# KiCad board demomatrix.kicad_pcb (continued)
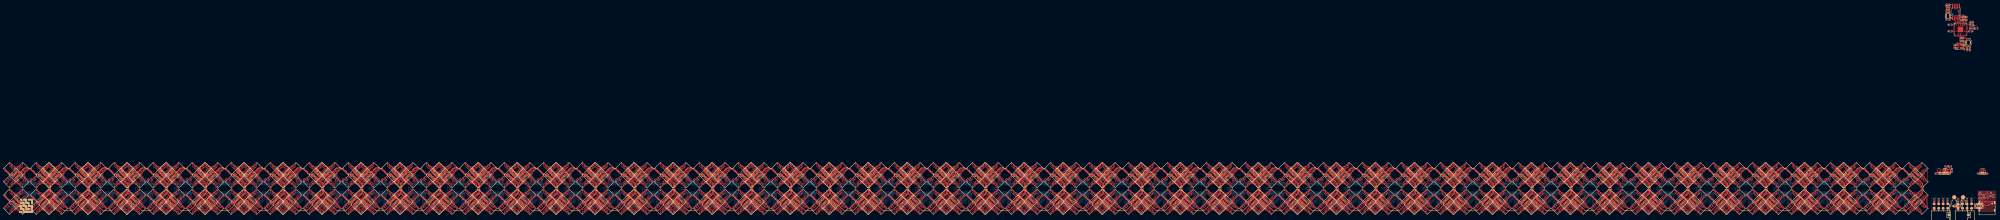
[diagram p0: board, top side]
## Routing (per net, layer and track width the routed paths; a pad name or vN(x,y) marks a point on that pad's centre or on a via; arc(x,y) is an arc through that point) (continued)
rgbs[3]-anodes-anode-289: length 12.8
  Top w0.2: LED419.1 -680.28,14.06 -680.28,14.1 -680.15,14.23 -680.22,14.31 -680.22,15.7 -682.37,17.85 -682.95,17.85 -683.64,17.17 -683.74,17.17 -684.43,17.85 -685.01,17.85 -685.8,17.06 -685.8,17.05 -685.86,16.99 -685.86,16.99 -687.16,15.7 -687.16,14.12 LED420.2
rgbs[3]-anodes-anode-290: length 3.9
  Top w0.2: LED419.5 -682.12,15.61 -683.11,15.61 -683.46,15.97 -683.92,15.97 -684.26,15.62 -685.46,15.62 LED420.6
rgbs[3]-anodes-anode-291: length 1.8
  Top w0.2: LED420.8 -684.32,16.37 -683.11,16.37 -682.94,16.53 -682.9,16.53 LED419.7
rgbs[3]-anodes-anode-292: length 9.5
  Top w0.2: LED423.3 -666.13,14.9 -666.13,14.93 -665.98,15.08 -665.98,15.89 -667.54,17.45 -667.79,17.45 -668.47,16.77 -668.91,16.77 -669.59,17.45 -669.84,17.45 -670.4,16.89 -670.4,16.88 -670.69,16.59 -670.7,16.59 -671.43,15.87 -671.43,15.08 LED424.4
rgbs[3]-anodes-anode-293: length 12.8
  Top w0.2: LED423.1 -665.28,14.06 -665.28,14.1 -665.15,14.23 -665.22,14.31 -665.22,15.7 -667.37,17.85 -667.95,17.85 -668.64,17.17 -668.74,17.17 -669.43,17.85 -670.01,17.85 -670.8,17.06 -670.8,17.05 -670.86,16.99 -670.86,16.99 -672.16,15.7 -672.16,14.12 LED424.2
rgbs[3]-anodes-anode-294: length 3.9
  Top w0.2: LED423.5 -667.12,15.61 -668.11,15.61 -668.46,15.97 -668.92,15.97 -669.26,15.62 -670.46,15.62 LED424.6
rgbs[3]-anodes-anode-295: length 1.8
  Top w0.2: LED423.7 -667.9,16.53 -667.94,16.53 -668.11,16.37 -669.32,16.37 LED424.8
rgbs[3]-anodes-anode-296: length 9.5
  Top w0.2: LED427.3 -681.13,-0.1 -681.13,-0.07 -680.98,0.08 -680.98,0.89 -682.54,2.45 -682.79,2.45 -683.47,1.77 -683.91,1.77 -684.59,2.45 -684.84,2.45 -685.4,1.89 -685.4,1.88 -685.69,1.59 -685.7,1.59 -686.43,0.87 -686.43,0.08 LED428.4
rgbs[3]-anodes-anode-297: length 12.8
  Top w0.2: LED427.1 -680.28,-0.94 -680.28,-0.9 -680.15,-0.77 -680.22,-0.69 -680.22,0.7 -682.37,2.85 -682.95,2.85 -683.64,2.17 -683.74,2.17 -684.43,2.85 -685.01,2.85 -685.8,2.06 -685.8,2.05 -685.86,1.99 -685.86,1.99 -687.16,0.7 -687.16,-0.88 LED428.2
rgbs[3]-anodes-anode-298: length 3.9
  Top w0.2: LED427.5 -682.12,0.61 -683.11,0.61 -683.46,0.97 -683.92,0.97 -684.26,0.62 -685.46,0.62 LED428.6
rgbs[3]-anodes-anode-299: length 1.8
  Top w0.2: LED428.8 -684.32,1.37 -683.11,1.37 -682.94,1.53 -682.9,1.53 LED427.7
rgbs[3]-anodes-anode-300: length 9.5
  Top w0.2: LED431.3 -666.13,-0.1 -666.13,-0.07 -665.98,0.08 -665.98,0.89 -667.54,2.45 -667.79,2.45 -668.47,1.77 -668.91,1.77 -669.59,2.45 -669.84,2.45 -670.4,1.89 -670.4,1.88 -670.69,1.59 -670.7,1.59 -671.43,0.87 -671.43,0.08 LED432.4
rgbs[3]-anodes-anode-301: length 12.8
  Top w0.2: LED432.2 -672.16,-0.88 -672.16,0.7 -670.86,1.99 -670.86,1.99 -670.8,2.05 -670.8,2.06 -670.01,2.85 -669.43,2.85 -668.74,2.17 -668.64,2.17 -667.95,2.85 -667.37,2.85 -665.22,0.7 -665.22,-0.69 -665.15,-0.77 -665.28,-0.9 -665.28,-0.94 LED431.1
rgbs[3]-anodes-anode-302: length 3.9
  Top w0.2: LED431.5 -667.12,0.61 -668.11,0.61 -668.46,0.97 -668.92,0.97 -669.26,0.62 -670.46,0.62 LED432.6
rgbs[3]-anodes-anode-303: length 1.8
  Top w0.2: LED432.8 -669.32,1.37 -668.11,1.37 -667.94,1.53 -667.9,1.53 LED431.7
rgbs[3]-anodes-anode-304: length 9.5
  Top w0.2: LED435.3 -659.13,14.9 -659.13,14.93 -658.98,15.08 -658.98,15.89 -660.54,17.45 -660.79,17.45 -661.47,16.77 -661.91,16.77 -662.59,17.45 -662.84,17.45 -663.4,16.89 -663.4,16.88 -663.69,16.59 -663.7,16.59 -664.43,15.87 -664.43,15.08 LED436.4
rgbs[3]-anodes-anode-305: length 12.8
  Top w0.2: LED436.2 -665.16,14.12 -665.16,15.7 -663.86,16.99 -663.86,16.99 -663.8,17.05 -663.8,17.06 -663.01,17.85 -662.43,17.85 -661.74,17.17 -661.64,17.17 -660.95,17.85 -660.37,17.85 -658.22,15.7 -658.22,14.31 -658.15,14.23 -658.28,14.1 -658.28,14.06 LED435.1
rgbs[3]-anodes-anode-306: length 3.9
  Top w0.2: LED436.6 -663.46,15.62 -662.26,15.62 -661.92,15.97 -661.46,15.97 -661.11,15.61 -660.12,15.61 LED435.5
rgbs[3]-anodes-anode-307: length 1.8
  Top w0.2: LED435.7 -660.9,16.53 -660.94,16.53 -661.11,16.37 -662.32,16.37 LED436.8
rgbs[3]-anodes-anode-308: length 9.5
  Top w0.2: LED440.4 -649.43,15.08 -649.43,15.87 -648.7,16.59 -648.69,16.59 -648.4,16.88 -648.4,16.89 -647.84,17.45 -647.59,17.45 -646.91,16.77 -646.47,16.77 -645.79,17.45 -645.54,17.45 -643.98,15.89 -643.98,15.08 -644.13,14.93 -644.13,14.9 LED439.3
rgbs[3]-anodes-anode-309: length 12.8
  Top w0.2: LED439.1 -643.28,14.06 -643.28,14.1 -643.15,14.23 -643.22,14.31 -643.22,15.7 -645.37,17.85 -645.95,17.85 -646.64,17.17 -646.74,17.17 -647.43,17.85 -648.01,17.85 -648.8,17.06 -648.8,17.05 -648.86,16.99 -648.86,16.99 -650.16,15.7 -650.16,14.12 LED440.2
rgbs[3]-anodes-anode-310: length 3.9
  Top w0.2: LED440.6 -648.46,15.62 -647.26,15.62 -646.92,15.97 -646.46,15.97 -646.11,15.61 -645.12,15.61 LED439.5
rgbs[3]-anodes-anode-311: length 1.8
  Top w0.2: LED440.8 -647.32,16.37 -646.11,16.37 -645.94,16.53 -645.9,16.53 LED439.7
rgbs[3]-anodes-anode-312: length 9.5
  Top w0.2: LED444.4 -664.43,0.08 -664.43,0.87 -663.7,1.59 -663.69,1.59 -663.4,1.88 -663.4,1.89 -662.84,2.45 -662.59,2.45 -661.91,1.77 -661.47,1.77 -660.79,2.45 -660.54,2.45 -658.98,0.89 -658.98,0.08 -659.13,-0.07 -659.13,-0.1 LED443.3
rgbs[3]-anodes-anode-313: length 12.8
  Top w0.2: LED444.2 -665.16,-0.88 -665.16,0.7 -663.86,1.99 -663.86,1.99 -663.8,2.05 -663.8,2.06 -663.01,2.85 -662.43,2.85 -661.74,2.17 -661.64,2.17 -660.95,2.85 -660.37,2.85 -658.22,0.7 -658.22,-0.69 -658.15,-0.77 -658.28,-0.9 -658.28,-0.94 LED443.1
rgbs[3]-anodes-anode-314: length 3.9
  Top w0.2: LED443.5 -660.12,0.61 -661.11,0.61 -661.46,0.97 -661.92,0.97 -662.26,0.62 -663.46,0.62 LED444.6
rgbs[3]-anodes-anode-315: length 1.8
  Top w0.2: LED444.8 -662.32,1.37 -661.11,1.37 -660.94,1.53 -660.9,1.53 LED443.7
rgbs[3]-anodes-anode-316: length 9.5
  Top w0.2: LED448.4 -649.43,0.08 -649.43,0.87 -648.7,1.59 -648.69,1.59 -648.4,1.88 -648.4,1.89 -647.84,2.45 -647.59,2.45 -646.91,1.77 -646.47,1.77 -645.79,2.45 -645.54,2.45 -643.98,0.89 -643.98,0.08 -644.13,-0.07 -644.13,-0.1 LED447.3
rgbs[3]-anodes-anode-317: length 12.8
  Top w0.2: LED447.1 -643.28,-0.94 -643.28,-0.9 -643.15,-0.77 -643.22,-0.69 -643.22,0.7 -645.37,2.85 -645.95,2.85 -646.64,2.17 -646.74,2.17 -647.43,2.85 -648.01,2.85 -648.8,2.06 -648.8,2.05 -648.86,1.99 -648.86,1.99 -650.16,0.7 -650.16,-0.88 LED448.2
rgbs[3]-anodes-anode-318: length 3.9
  Top w0.2: LED447.5 -645.12,0.61 -646.11,0.61 -646.46,0.97 -646.92,0.97 -647.26,0.62 -648.46,0.62 LED448.6
rgbs[3]-anodes-anode-319: length 1.8
  Top w0.2: LED447.7 -645.9,1.53 -645.94,1.53 -646.11,1.37 -647.32,1.37 LED448.8
rgbs[3]-anodes-anode-320: length 9.5
  Top w0.2: LED452.4 -642.43,15.08 -642.43,15.87 -641.7,16.59 -641.69,16.59 -641.4,16.88 -641.4,16.89 -640.84,17.45 -640.59,17.45 -639.91,16.77 -639.47,16.77 -638.79,17.45 -638.54,17.45 -636.98,15.89 -636.98,15.08 -637.13,14.93 -637.13,14.9 LED451.3
rgbs[3]-anodes-anode-321: length 12.8
  Top w0.2: LED451.1 -636.28,14.06 -636.28,14.1 -636.15,14.23 -636.22,14.31 -636.22,15.7 -638.37,17.85 -638.95,17.85 -639.64,17.17 -639.74,17.17 -640.43,17.85 -641.01,17.85 -641.8,17.06 -641.8,17.05 -641.86,16.99 -641.86,16.99 -643.16,15.7 -643.16,14.12 LED452.2
rgbs[3]-anodes-anode-322: length 3.9
  Top w0.2: LED452.6 -641.46,15.62 -640.26,15.62 -639.92,15.97 -639.46,15.97 -639.11,15.61 -638.12,15.61 LED451.5
rgbs[3]-anodes-anode-323: length 1.8
  Top w0.2: LED452.8 -640.32,16.37 -639.11,16.37 -638.94,16.53 -638.9,16.53 LED451.7
rgbs[3]-anodes-anode-324: length 9.5
  Top w0.2: LED455.3 -622.13,14.9 -622.13,14.93 -621.98,15.08 -621.98,15.89 -623.54,17.45 -623.79,17.45 -624.47,16.77 -624.91,16.77 -625.59,17.45 -625.84,17.45 -626.4,16.89 -626.4,16.88 -626.69,16.59 -626.7,16.59 -627.43,15.87 -627.43,15.08 LED456.4
rgbs[3]-anodes-anode-325: length 12.8
  Top w0.2: LED455.1 -621.28,14.06 -621.28,14.1 -621.15,14.23 -621.22,14.31 -621.22,15.7 -623.37,17.85 -623.95,17.85 -624.64,17.17 -624.74,17.17 -625.43,17.85 -626.01,17.85 -626.8,17.06 -626.8,17.05 -626.86,16.99 -626.86,16.99 -628.16,15.7 -628.16,14.12 LED456.2
rgbs[3]-anodes-anode-326: length 3.9
  Top w0.2: LED456.6 -626.46,15.62 -625.26,15.62 -624.92,15.97 -624.46,15.97 -624.11,15.61 -623.12,15.61 LED455.5
rgbs[3]-anodes-anode-327: length 1.8
  Top w0.2: LED456.8 -625.32,16.37 -624.11,16.37 -623.94,16.53 -623.9,16.53 LED455.7
rgbs[3]-anodes-anode-328: length 9.5
  Top w0.2: LED460.4 -642.43,0.08 -642.43,0.87 -641.7,1.59 -641.69,1.59 -641.4,1.88 -641.4,1.89 -640.84,2.45 -640.59,2.45 -639.91,1.77 -639.47,1.77 -638.79,2.45 -638.54,2.45 -636.98,0.89 -636.98,0.08 -637.13,-0.07 -637.13,-0.1 LED459.3
rgbs[3]-anodes-anode-329: length 12.8
  Top w0.2: LED460.2 -643.16,-0.88 -643.16,0.7 -641.86,1.99 -641.86,1.99 -641.8,2.05 -641.8,2.06 -641.01,2.85 -640.43,2.85 -639.74,2.17 -639.64,2.17 -638.95,2.85 -638.37,2.85 -636.22,0.7 -636.22,-0.69 -636.15,-0.77 -636.28,-0.9 -636.28,-0.94 LED459.1
rgbs[3]-anodes-anode-330: length 3.9
  Top w0.2: LED460.6 -641.46,0.62 -640.26,0.62 -639.92,0.97 -639.46,0.97 -639.11,0.61 -638.12,0.61 LED459.5
rgbs[3]-anodes-anode-331: length 1.8
  Top w0.2: LED460.8 -640.32,1.37 -639.11,1.37 -638.94,1.53 -638.9,1.53 LED459.7
rgbs[3]-anodes-anode-332: length 9.5
  Top w0.2: LED463.3 -622.13,-0.1 -622.13,-0.07 -621.98,0.08 -621.98,0.89 -623.54,2.45 -623.79,2.45 -624.47,1.77 -624.91,1.77 -625.59,2.45 -625.84,2.45 -626.4,1.89 -626.4,1.88 -626.69,1.59 -626.7,1.59 -627.43,0.87 -627.43,0.08 LED464.4
rgbs[3]-anodes-anode-333: length 12.8
  Top w0.2: LED463.1 -621.28,-0.94 -621.28,-0.9 -621.15,-0.77 -621.22,-0.69 -621.22,0.7 -623.37,2.85 -623.95,2.85 -624.64,2.17 -624.74,2.17 -625.43,2.85 -626.01,2.85 -626.8,2.06 -626.8,2.05 -626.86,1.99 -626.86,1.99 -628.16,0.7 -628.16,-0.88 LED464.2
rgbs[3]-anodes-anode-334: length 3.9
  Top w0.2: LED463.5 -623.12,0.61 -624.11,0.61 -624.46,0.97 -624.92,0.97 -625.26,0.62 -626.46,0.62 LED464.6
rgbs[3]-anodes-anode-335: length 1.8
  Top w0.2: LED464.8 -625.32,1.37 -624.11,1.37 -623.94,1.53 -623.9,1.53 LED463.7
rgbs[3]-anodes-anode-336: length 9.5
  Top w0.2: LED468.4 -620.43,15.08 -620.43,15.87 -619.7,16.59 -619.69,16.59 -619.4,16.88 -619.4,16.89 -618.84,17.45 -618.59,17.45 -617.91,16.77 -617.47,16.77 -616.79,17.45 -616.54,17.45 -614.98,15.89 -614.98,15.08 -615.13,14.93 -615.13,14.9 LED467.3
rgbs[3]-anodes-anode-337: length 12.8
  Top w0.2: LED467.1 -614.28,14.06 -614.28,14.1 -614.15,14.23 -614.22,14.31 -614.22,15.7 -616.37,17.85 -616.95,17.85 -617.64,17.17 -617.74,17.17 -618.43,17.85 -619.01,17.85 -619.8,17.06 -619.8,17.05 -619.86,16.99 -619.86,16.99 -621.16,15.7 -621.16,14.12 LED468.2
rgbs[3]-anodes-anode-338: length 3.9
  Top w0.2: LED468.6 -619.46,15.62 -618.26,15.62 -617.92,15.97 -617.46,15.97 -617.11,15.61 -616.12,15.61 LED467.5
rgbs[3]-anodes-anode-339: length 1.8
  Top w0.2: LED468.8 -618.32,16.37 -617.11,16.37 -616.94,16.53 -616.9,16.53 LED467.7
rgbs[3]-anodes-anode-340: length 9.5
  Top w0.2: LED471.3 -600.13,14.9 -600.13,14.93 -599.98,15.08 -599.98,15.89 -601.54,17.45 -601.79,17.45 -602.47,16.77 -602.91,16.77 -603.59,17.45 -603.84,17.45 -604.4,16.89 -604.4,16.88 -604.69,16.59 -604.7,16.59 -605.43,15.87 -605.43,15.08 LED472.4
rgbs[3]-anodes-anode-341: length 12.8
  Top w0.2: LED471.1 -599.28,14.06 -599.28,14.1 -599.15,14.23 -599.22,14.31 -599.22,15.7 -601.37,17.85 -601.95,17.85 -602.64,17.17 -602.74,17.17 -603.43,17.85 -604.01,17.85 -604.8,17.06 -604.8,17.05 -604.86,16.99 -604.86,16.99 -606.16,15.7 -606.16,14.12 LED472.2
rgbs[3]-anodes-anode-342: length 3.9
  Top w0.2: LED472.6 -604.46,15.62 -603.26,15.62 -602.92,15.97 -602.46,15.97 -602.11,15.61 -601.12,15.61 LED471.5
rgbs[3]-anodes-anode-343: length 1.8
  Top w0.2: LED471.7 -601.9,16.53 -601.94,16.53 -602.11,16.37 -603.32,16.37 LED472.8
rgbs[3]-anodes-anode-344: length 9.5
  Top w0.2: LED476.4 -620.43,0.08 -620.43,0.87 -619.7,1.59 -619.69,1.59 -619.4,1.88 -619.4,1.89 -618.84,2.45 -618.59,2.45 -617.91,1.77 -617.47,1.77 -616.79,2.45 -616.54,2.45 -614.98,0.89 -614.98,0.08 -615.13,-0.07 -615.13,-0.1 LED475.3
rgbs[3]-anodes-anode-345: length 12.8
  Top w0.2: LED476.2 -621.16,-0.88 -621.16,0.7 -619.86,1.99 -619.86,1.99 -619.8,2.05 -619.8,2.06 -619.01,2.85 -618.43,2.85 -617.74,2.17 -617.64,2.17 -616.95,2.85 -616.37,2.85 -614.22,0.7 -614.22,-0.69 -614.15,-0.77 -614.28,-0.9 -614.28,-0.94 LED475.1
rgbs[3]-anodes-anode-346: length 3.9
  Top w0.2: LED475.5 -616.12,0.61 -617.11,0.61 -617.46,0.97 -617.92,0.97 -618.26,0.62 -619.46,0.62 LED476.6
rgbs[3]-anodes-anode-347: length 1.8
  Top w0.2: LED476.8 -618.32,1.37 -617.11,1.37 -616.94,1.53 -616.9,1.53 LED475.7
rgbs[3]-anodes-anode-348: length 9.5
  Top w0.2: LED479.3 -600.13,-0.1 -600.13,-0.07 -599.98,0.08 -599.98,0.89 -601.54,2.45 -601.79,2.45 -602.47,1.77 -602.91,1.77 -603.59,2.45 -603.84,2.45 -604.4,1.89 -604.4,1.88 -604.69,1.59 -604.7,1.59 -605.43,0.87 -605.43,0.08 LED480.4
rgbs[3]-anodes-anode-349: length 12.8
  Top w0.2: LED479.1 -599.28,-0.94 -599.28,-0.9 -599.15,-0.77 -599.22,-0.69 -599.22,0.7 -601.37,2.85 -601.95,2.85 -602.64,2.17 -602.74,2.17 -603.43,2.85 -604.01,2.85 -604.8,2.06 -604.8,2.05 -604.86,1.99 -604.86,1.99 -606.16,0.7 -606.16,-0.88 LED480.2
rgbs[3]-anodes-anode-350: length 3.9
  Top w0.2: LED480.6 -604.46,0.62 -603.26,0.62 -602.92,0.97 -602.46,0.97 -602.11,0.61 -601.12,0.61 LED479.5
rgbs[3]-anodes-anode-351: length 1.8
  Top w0.2: LED479.7 -601.9,1.53 -601.94,1.53 -602.11,1.37 -603.32,1.37 LED480.8
rgbs[3]-anodes-anode-352: length 9.5
  Top w0.2: LED35.3 -593.13,14.9 -593.13,14.93 -592.98,15.08 -592.98,15.89 -594.54,17.45 -594.79,17.45 -595.47,16.77 -595.91,16.77 -596.59,17.45 -596.84,17.45 -597.4,16.89 -597.4,16.88 -597.69,16.59 -597.7,16.59 -598.43,15.87 -598.43,15.08 LED36.4
rgbs[3]-anodes-anode-353: length 12.8
  Top w0.2: LED36.2 -599.16,14.12 -599.16,15.7 -597.86,16.99 -597.86,16.99 -597.8,17.05 -597.8,17.06 -597.01,17.85 -596.43,17.85 -595.74,17.17 -595.64,17.17 -594.95,17.85 -594.37,17.85 -592.22,15.7 -592.22,14.31 -592.15,14.23 -592.28,14.1 -592.28,14.06 LED35.1
rgbs[3]-anodes-anode-354: length 3.9
  Top w0.2: LED36.6 -597.46,15.62 -596.26,15.62 -595.92,15.97 -595.46,15.97 -595.11,15.61 -594.12,15.61 LED35.5
rgbs[3]-anodes-anode-355: length 1.8
  Top w0.2: LED36.8 -596.32,16.37 -595.11,16.37 -594.94,16.53 -594.9,16.53 LED35.7
rgbs[3]-anodes-anode-356: length 9.5
  Top w0.2: LED39.3 -578.13,14.9 -578.13,14.93 -577.98,15.08 -577.98,15.89 -579.54,17.45 -579.79,17.45 -580.47,16.77 -580.91,16.77 -581.59,17.45 -581.84,17.45 -582.4,16.89 -582.4,16.88 -582.69,16.59 -582.7,16.59 -583.43,15.87 -583.43,15.08 LED40.4
rgbs[3]-anodes-anode-357: length 12.8
  Top w0.2: LED39.1 -577.28,14.06 -577.28,14.1 -577.15,14.23 -577.22,14.31 -577.22,15.7 -579.37,17.85 -579.95,17.85 -580.64,17.17 -580.74,17.17 -581.43,17.85 -582.01,17.85 -582.8,17.06 -582.8,17.05 -582.86,16.99 -582.86,16.99 -584.16,15.7 -584.16,14.12 LED40.2
rgbs[3]-anodes-anode-358: length 3.9
  Top w0.2: LED39.5 -579.12,15.61 -580.11,15.61 -580.46,15.97 -580.92,15.97 -581.26,15.62 -582.46,15.62 LED40.6
rgbs[3]-anodes-anode-359: length 1.8
  Top w0.2: LED40.8 -581.32,16.37 -580.11,16.37 -579.94,16.53 -579.9,16.53 LED39.7
rgbs[3]-anodes-anode-360: length 9.5
  Top w0.2: LED44.4 -598.43,0.08 -598.43,0.87 -597.7,1.59 -597.69,1.59 -597.4,1.88 -597.4,1.89 -596.84,2.45 -596.59,2.45 -595.91,1.77 -595.47,1.77 -594.79,2.45 -594.54,2.45 -592.98,0.89 -592.98,0.08 -593.13,-0.07 -593.13,-0.1 LED43.3
rgbs[3]-anodes-anode-361: length 12.8
  Top w0.2: LED44.2 -599.16,-0.88 -599.16,0.7 -597.86,1.99 -597.86,1.99 -597.8,2.05 -597.8,2.06 -597.01,2.85 -596.43,2.85 -595.74,2.17 -595.64,2.17 -594.95,2.85 -594.37,2.85 -592.22,0.7 -592.22,-0.69 -592.15,-0.77 -592.28,-0.9 -592.28,-0.94 LED43.1
rgbs[3]-anodes-anode-362: length 3.9
  Top w0.2: LED44.6 -597.46,0.62 -596.26,0.62 -595.92,0.97 -595.46,0.97 -595.11,0.61 -594.12,0.61 LED43.5
rgbs[3]-anodes-anode-363: length 1.8
  Top w0.2: LED43.7 -594.9,1.53 -594.94,1.53 -595.11,1.37 -596.32,1.37 LED44.8
rgbs[3]-anodes-anode-364: length 9.5
  Top w0.2: LED48.4 -583.43,0.08 -583.43,0.87 -582.7,1.59 -582.69,1.59 -582.4,1.88 -582.4,1.89 -581.84,2.45 -581.59,2.45 -580.91,1.77 -580.47,1.77 -579.79,2.45 -579.54,2.45 -577.98,0.89 -577.98,0.08 -578.13,-0.07 -578.13,-0.1 LED47.3
rgbs[3]-anodes-anode-365: length 12.8
  Top w0.2: LED48.2 -584.16,-0.88 -584.16,0.7 -582.86,1.99 -582.86,1.99 -582.8,2.05 -582.8,2.06 -582.01,2.85 -581.43,2.85 -580.74,2.17 -580.64,2.17 -579.95,2.85 -579.37,2.85 -577.22,0.7 -577.22,-0.69 -577.15,-0.77 -577.28,-0.9 -577.28,-0.94 LED47.1
rgbs[3]-anodes-anode-366: length 3.9
  Top w0.2: LED48.6 -582.46,0.62 -581.26,0.62 -580.92,0.97 -580.46,0.97 -580.11,0.61 -579.12,0.61 LED47.5
rgbs[3]-anodes-anode-367: length 1.8
  Top w0.2: LED48.8 -581.32,1.37 -580.11,1.37 -579.94,1.53 -579.9,1.53 LED47.7
rgbs[3]-anodes-anode-368: length 9.5
  Top w0.2: LED483.3 -571.13,14.9 -571.13,14.93 -570.98,15.08 -570.98,15.89 -572.54,17.45 -572.79,17.45 -573.47,16.77 -573.91,16.77 -574.59,17.45 -574.84,17.45 -575.4,16.89 -575.4,16.88 -575.69,16.59 -575.7,16.59 -576.43,15.87 -576.43,15.08 LED484.4
rgbs[3]-anodes-anode-369: length 12.8
  Top w0.2: LED483.1 -570.28,14.06 -570.28,14.1 -570.15,14.23 -570.22,14.31 -570.22,15.7 -572.37,17.85 -572.95,17.85 -573.64,17.17 -573.74,17.17 -574.43,17.85 -575.01,17.85 -575.8,17.06 -575.8,17.05 -575.86,16.99 -575.86,16.99 -577.16,15.7 -577.16,14.12 LED484.2
rgbs[3]-anodes-anode-370: length 3.9
  Top w0.2: LED483.5 -572.12,15.61 -573.11,15.61 -573.46,15.97 -573.92,15.97 -574.26,15.62 -575.46,15.62 LED484.6
rgbs[3]-anodes-anode-371: length 1.8
  Top w0.2: LED484.8 -574.32,16.37 -573.11,16.37 -572.94,16.53 -572.9,16.53 LED483.7
rgbs[3]-anodes-anode-372: length 9.5
  Top w0.2: LED487.3 -556.13,14.9 -556.13,14.93 -555.98,15.08 -555.98,15.89 -557.54,17.45 -557.79,17.45 -558.47,16.77 -558.91,16.77 -559.59,17.45 -559.84,17.45 -560.4,16.89 -560.4,16.88 -560.69,16.59 -560.7,16.59 -561.43,15.87 -561.43,15.08 LED488.4
rgbs[3]-anodes-anode-373: length 12.8
  Top w0.2: LED488.2 -562.16,14.12 -562.16,15.7 -560.86,16.99 -560.86,16.99 -560.8,17.05 -560.8,17.06 -560.01,17.85 -559.43,17.85 -558.74,17.17 -558.64,17.17 -557.95,17.85 -557.37,17.85 -555.22,15.7 -555.22,14.31 -555.15,14.23 -555.28,14.1 -555.28,14.06 LED487.1
rgbs[3]-anodes-anode-374: length 3.9
  Top w0.2: LED488.6 -560.46,15.62 -559.26,15.62 -558.92,15.97 -558.46,15.97 -558.11,15.61 -557.12,15.61 LED487.5
rgbs[3]-anodes-anode-375: length 1.8
  Top w0.2: LED488.8 -559.32,16.37 -558.11,16.37 -557.94,16.53 -557.9,16.53 LED487.7
rgbs[3]-anodes-anode-376: length 9.5
  Top w0.2: LED491.3 -571.13,-0.1 -571.13,-0.07 -570.98,0.08 -570.98,0.89 -572.54,2.45 -572.79,2.45 -573.47,1.77 -573.91,1.77 -574.59,2.45 -574.84,2.45 -575.4,1.89 -575.4,1.88 -575.69,1.59 -575.7,1.59 -576.43,0.87 -576.43,0.08 LED492.4
rgbs[3]-anodes-anode-377: length 12.8
  Top w0.2: LED492.2 -577.16,-0.88 -577.16,0.7 -575.86,1.99 -575.86,1.99 -575.8,2.05 -575.8,2.06 -575.01,2.85 -574.43,2.85 -573.74,2.17 -573.64,2.17 -572.95,2.85 -572.37,2.85 -570.22,0.7 -570.22,-0.69 -570.15,-0.77 -570.28,-0.9 -570.28,-0.94 LED491.1
rgbs[3]-anodes-anode-378: length 3.9
  Top w0.2: LED491.5 -572.12,0.61 -573.11,0.61 -573.46,0.97 -573.92,0.97 -574.26,0.62 -575.46,0.62 LED492.6
rgbs[3]-anodes-anode-379: length 1.8
  Top w0.2: LED492.8 -574.32,1.37 -573.11,1.37 -572.94,1.53 -572.9,1.53 LED491.7
rgbs[3]-anodes-anode-380: length 9.5
  Top w0.2: LED496.4 -561.43,0.08 -561.43,0.87 -560.7,1.59 -560.69,1.59 -560.4,1.88 -560.4,1.89 -559.84,2.45 -559.59,2.45 -558.91,1.77 -558.47,1.77 -557.79,2.45 -557.54,2.45 -555.98,0.89 -555.98,0.08 -556.13,-0.07 -556.13,-0.1 LED495.3
rgbs[3]-anodes-anode-381: length 12.8
  Top w0.2: LED496.2 -562.16,-0.88 -562.16,0.7 -560.86,1.99 -560.86,1.99 -560.8,2.05 -560.8,2.06 -560.01,2.85 -559.43,2.85 -558.74,2.17 -558.64,2.17 -557.95,2.85 -557.37,2.85 -555.22,0.7 -555.22,-0.69 -555.15,-0.77 -555.28,-0.9 -555.28,-0.94 LED495.1
rgbs[3]-anodes-anode-382: length 3.9
  Top w0.2: LED496.6 -560.46,0.62 -559.26,0.62 -558.92,0.97 -558.46,0.97 -558.11,0.61 -557.12,0.61 LED495.5
rgbs[3]-anodes-anode-383: length 1.8
  Top w0.2: LED496.8 -559.32,1.37 -558.11,1.37 -557.94,1.53 -557.9,1.53 LED495.7
rgbs[3]-anodes-anode-384: length 9.5
  Top w0.2: LED499.3 -549.13,14.9 -549.13,14.93 -548.98,15.08 -548.98,15.89 -550.54,17.45 -550.79,17.45 -551.47,16.77 -551.91,16.77 -552.59,17.45 -552.84,17.45 -553.4,16.89 -553.4,16.88 -553.69,16.59 -553.7,16.59 -554.43,15.87 -554.43,15.08 LED500.4
rgbs[3]-anodes-anode-385: length 12.8
  Top w0.2: LED499.1 -548.28,14.06 -548.28,14.1 -548.15,14.23 -548.22,14.31 -548.22,15.7 -550.37,17.85 -550.95,17.85 -551.64,17.17 -551.74,17.17 -552.43,17.85 -553.01,17.85 -553.8,17.06 -553.8,17.05 -553.86,16.99 -553.86,16.99 -555.16,15.7 -555.16,14.12 LED500.2
rgbs[3]-anodes-anode-386: length 3.9
  Top w0.2: LED500.6 -553.46,15.62 -552.26,15.62 -551.92,15.97 -551.46,15.97 -551.11,15.61 -550.12,15.61 LED499.5
rgbs[3]-anodes-anode-387: length 1.8
  Top w0.2: LED500.8 -552.32,16.37 -551.11,16.37 -550.94,16.53 -550.9,16.53 LED499.7
rgbs[3]-anodes-anode-388: length 9.5
  Top w0.2: LED503.3 -534.13,14.9 -534.13,14.93 -533.98,15.08 -533.98,15.89 -535.54,17.45 -535.79,17.45 -536.47,16.77 -536.91,16.77 -537.59,17.45 -537.84,17.45 -538.4,16.89 -538.4,16.88 -538.69,16.59 -538.7,16.59 -539.43,15.87 -539.43,15.08 LED504.4
rgbs[3]-anodes-anode-389: length 12.8
  Top w0.2: LED504.2 -540.16,14.12 -540.16,15.7 -538.86,16.99 -538.86,16.99 -538.8,17.05 -538.8,17.06 -538.01,17.85 -537.43,17.85 -536.74,17.17 -536.64,17.17 -535.95,17.85 -535.37,17.85 -533.22,15.7 -533.22,14.31 -533.15,14.23 -533.28,14.1 -533.28,14.06 LED503.1
rgbs[3]-anodes-anode-390: length 3.9
  Top w0.2: LED503.5 -535.12,15.61 -536.11,15.61 -536.46,15.97 -536.92,15.97 -537.26,15.62 -538.46,15.62 LED504.6
rgbs[3]-anodes-anode-391: length 1.8
  Top w0.2: LED503.7 -535.9,16.53 -535.94,16.53 -536.11,16.37 -537.32,16.37 LED504.8
rgbs[3]-anodes-anode-392: length 9.5
  Top w0.2: LED507.3 -549.13,-0.1 -549.13,-0.07 -548.98,0.08 -548.98,0.89 -550.54,2.45 -550.79,2.45 -551.47,1.77 -551.91,1.77 -552.59,2.45 -552.84,2.45 -553.4,1.89 -553.4,1.88 -553.69,1.59 -553.7,1.59 -554.43,0.87 -554.43,0.08 LED508.4
rgbs[3]-anodes-anode-393: length 12.8
  Top w0.2: LED507.1 -548.28,-0.94 -548.28,-0.9 -548.15,-0.77 -548.22,-0.69 -548.22,0.7 -550.37,2.85 -550.95,2.85 -551.64,2.17 -551.74,2.17 -552.43,2.85 -553.01,2.85 -553.8,2.06 -553.8,2.05 -553.86,1.99 -553.86,1.99 -555.16,0.7 -555.16,-0.88 LED508.2
rgbs[3]-anodes-anode-394: length 3.9
  Top w0.2: LED507.5 -550.12,0.61 -551.11,0.61 -551.46,0.97 -551.92,0.97 -552.26,0.62 -553.46,0.62 LED508.6
rgbs[3]-anodes-anode-395: length 1.8
  Top w0.2: LED507.7 -550.9,1.53 -550.94,1.53 -551.11,1.37 -552.32,1.37 LED508.8
rgbs[3]-anodes-anode-396: length 9.5
  Top w0.2: LED512.4 -539.43,0.08 -539.43,0.87 -538.7,1.59 -538.69,1.59 -538.4,1.88 -538.4,1.89 -537.84,2.45 -537.59,2.45 -536.91,1.77 -536.47,1.77 -535.79,2.45 -535.54,2.45 -533.98,0.89 -533.98,0.08 -534.13,-0.07 -534.13,-0.1 LED511.3
rgbs[3]-anodes-anode-397: length 12.8
  Top w0.2: LED511.1 -533.28,-0.94 -533.28,-0.9 -533.15,-0.77 -533.22,-0.69 -533.22,0.7 -535.37,2.85 -535.95,2.85 -536.64,2.17 -536.74,2.17 -537.43,2.85 -538.01,2.85 -538.8,2.06 -538.8,2.05 -538.86,1.99 -538.86,1.99 -540.16,0.7 -540.16,-0.88 LED512.2
rgbs[3]-anodes-anode-398: length 3.9
  Top w0.2: LED512.6 -538.46,0.62 -537.26,0.62 -536.92,0.97 -536.46,0.97 -536.11,0.61 -535.12,0.61 LED511.5
rgbs[3]-anodes-anode-399: length 1.8
  Top w0.2: LED511.7 -535.9,1.53 -535.94,1.53 -536.11,1.37 -537.32,1.37 LED512.8
rgbs[3]-anodes-anode-400: length 9.5
  Top w0.2: LED516.4 -532.43,15.08 -532.43,15.87 -531.7,16.59 -531.69,16.59 -531.4,16.88 -531.4,16.89 -530.84,17.45 -530.59,17.45 -529.91,16.77 -529.47,16.77 -528.79,17.45 -528.54,17.45 -526.98,15.89 -526.98,15.08 -527.13,14.93 -527.13,14.9 LED515.3
rgbs[3]-anodes-anode-401: length 12.8
  Top w0.2: LED516.2 -533.16,14.12 -533.16,15.7 -531.86,16.99 -531.86,16.99 -531.8,17.05 -531.8,17.06 -531.01,17.85 -530.43,17.85 -529.74,17.17 -529.64,17.17 -528.95,17.85 -528.37,17.85 -526.22,15.7 -526.22,14.31 -526.15,14.23 -526.28,14.1 -526.28,14.06 LED515.1
rgbs[3]-anodes-anode-402: length 3.9
  Top w0.2: LED516.6 -531.46,15.62 -530.26,15.62 -529.92,15.97 -529.46,15.97 -529.11,15.61 -528.12,15.61 LED515.5
rgbs[3]-anodes-anode-403: length 1.8
  Top w0.2: LED516.8 -530.32,16.37 -529.11,16.37 -528.94,16.53 -528.9,16.53 LED515.7
rgbs[3]-anodes-anode-404: length 9.5
  Top w0.2: LED519.3 -512.13,14.9 -512.13,14.93 -511.98,15.08 -511.98,15.89 -513.54,17.45 -513.79,17.45 -514.47,16.77 -514.91,16.77 -515.59,17.45 -515.84,17.45 -516.4,16.89 -516.4,16.88 -516.69,16.59 -516.7,16.59 -517.43,15.87 -517.43,15.08 LED520.4
rgbs[3]-anodes-anode-405: length 12.8
  Top w0.2: LED519.1 -511.28,14.06 -511.28,14.1 -511.15,14.23 -511.22,14.31 -511.22,15.7 -513.37,17.85 -513.95,17.85 -514.64,17.17 -514.74,17.17 -515.43,17.85 -516.01,17.85 -516.8,17.06 -516.8,17.05 -516.86,16.99 -516.86,16.99 -518.16,15.7 -518.16,14.12 LED520.2
rgbs[3]-anodes-anode-406: length 3.9
  Top w0.2: LED519.5 -513.12,15.61 -514.11,15.61 -514.46,15.97 -514.92,15.97 -515.26,15.62 -516.46,15.62 LED520.6
rgbs[3]-anodes-anode-407: length 1.8
  Top w0.2: LED519.7 -513.9,16.53 -513.94,16.53 -514.11,16.37 -515.32,16.37 LED520.8
